# Altium PCB CHAHARDOLI-7 ADAD METAL.PcbDoc (part 7 of 11)
Units mm, origin at the board's own origin, x right, y up, seen from the top; angles counter-clockwise.
Board outline 151 x 86.38 mm, 2 copper layers (Top Layer, Bottom Layer); 1496 components, 81 nets, 3725 pads, 848 vias.
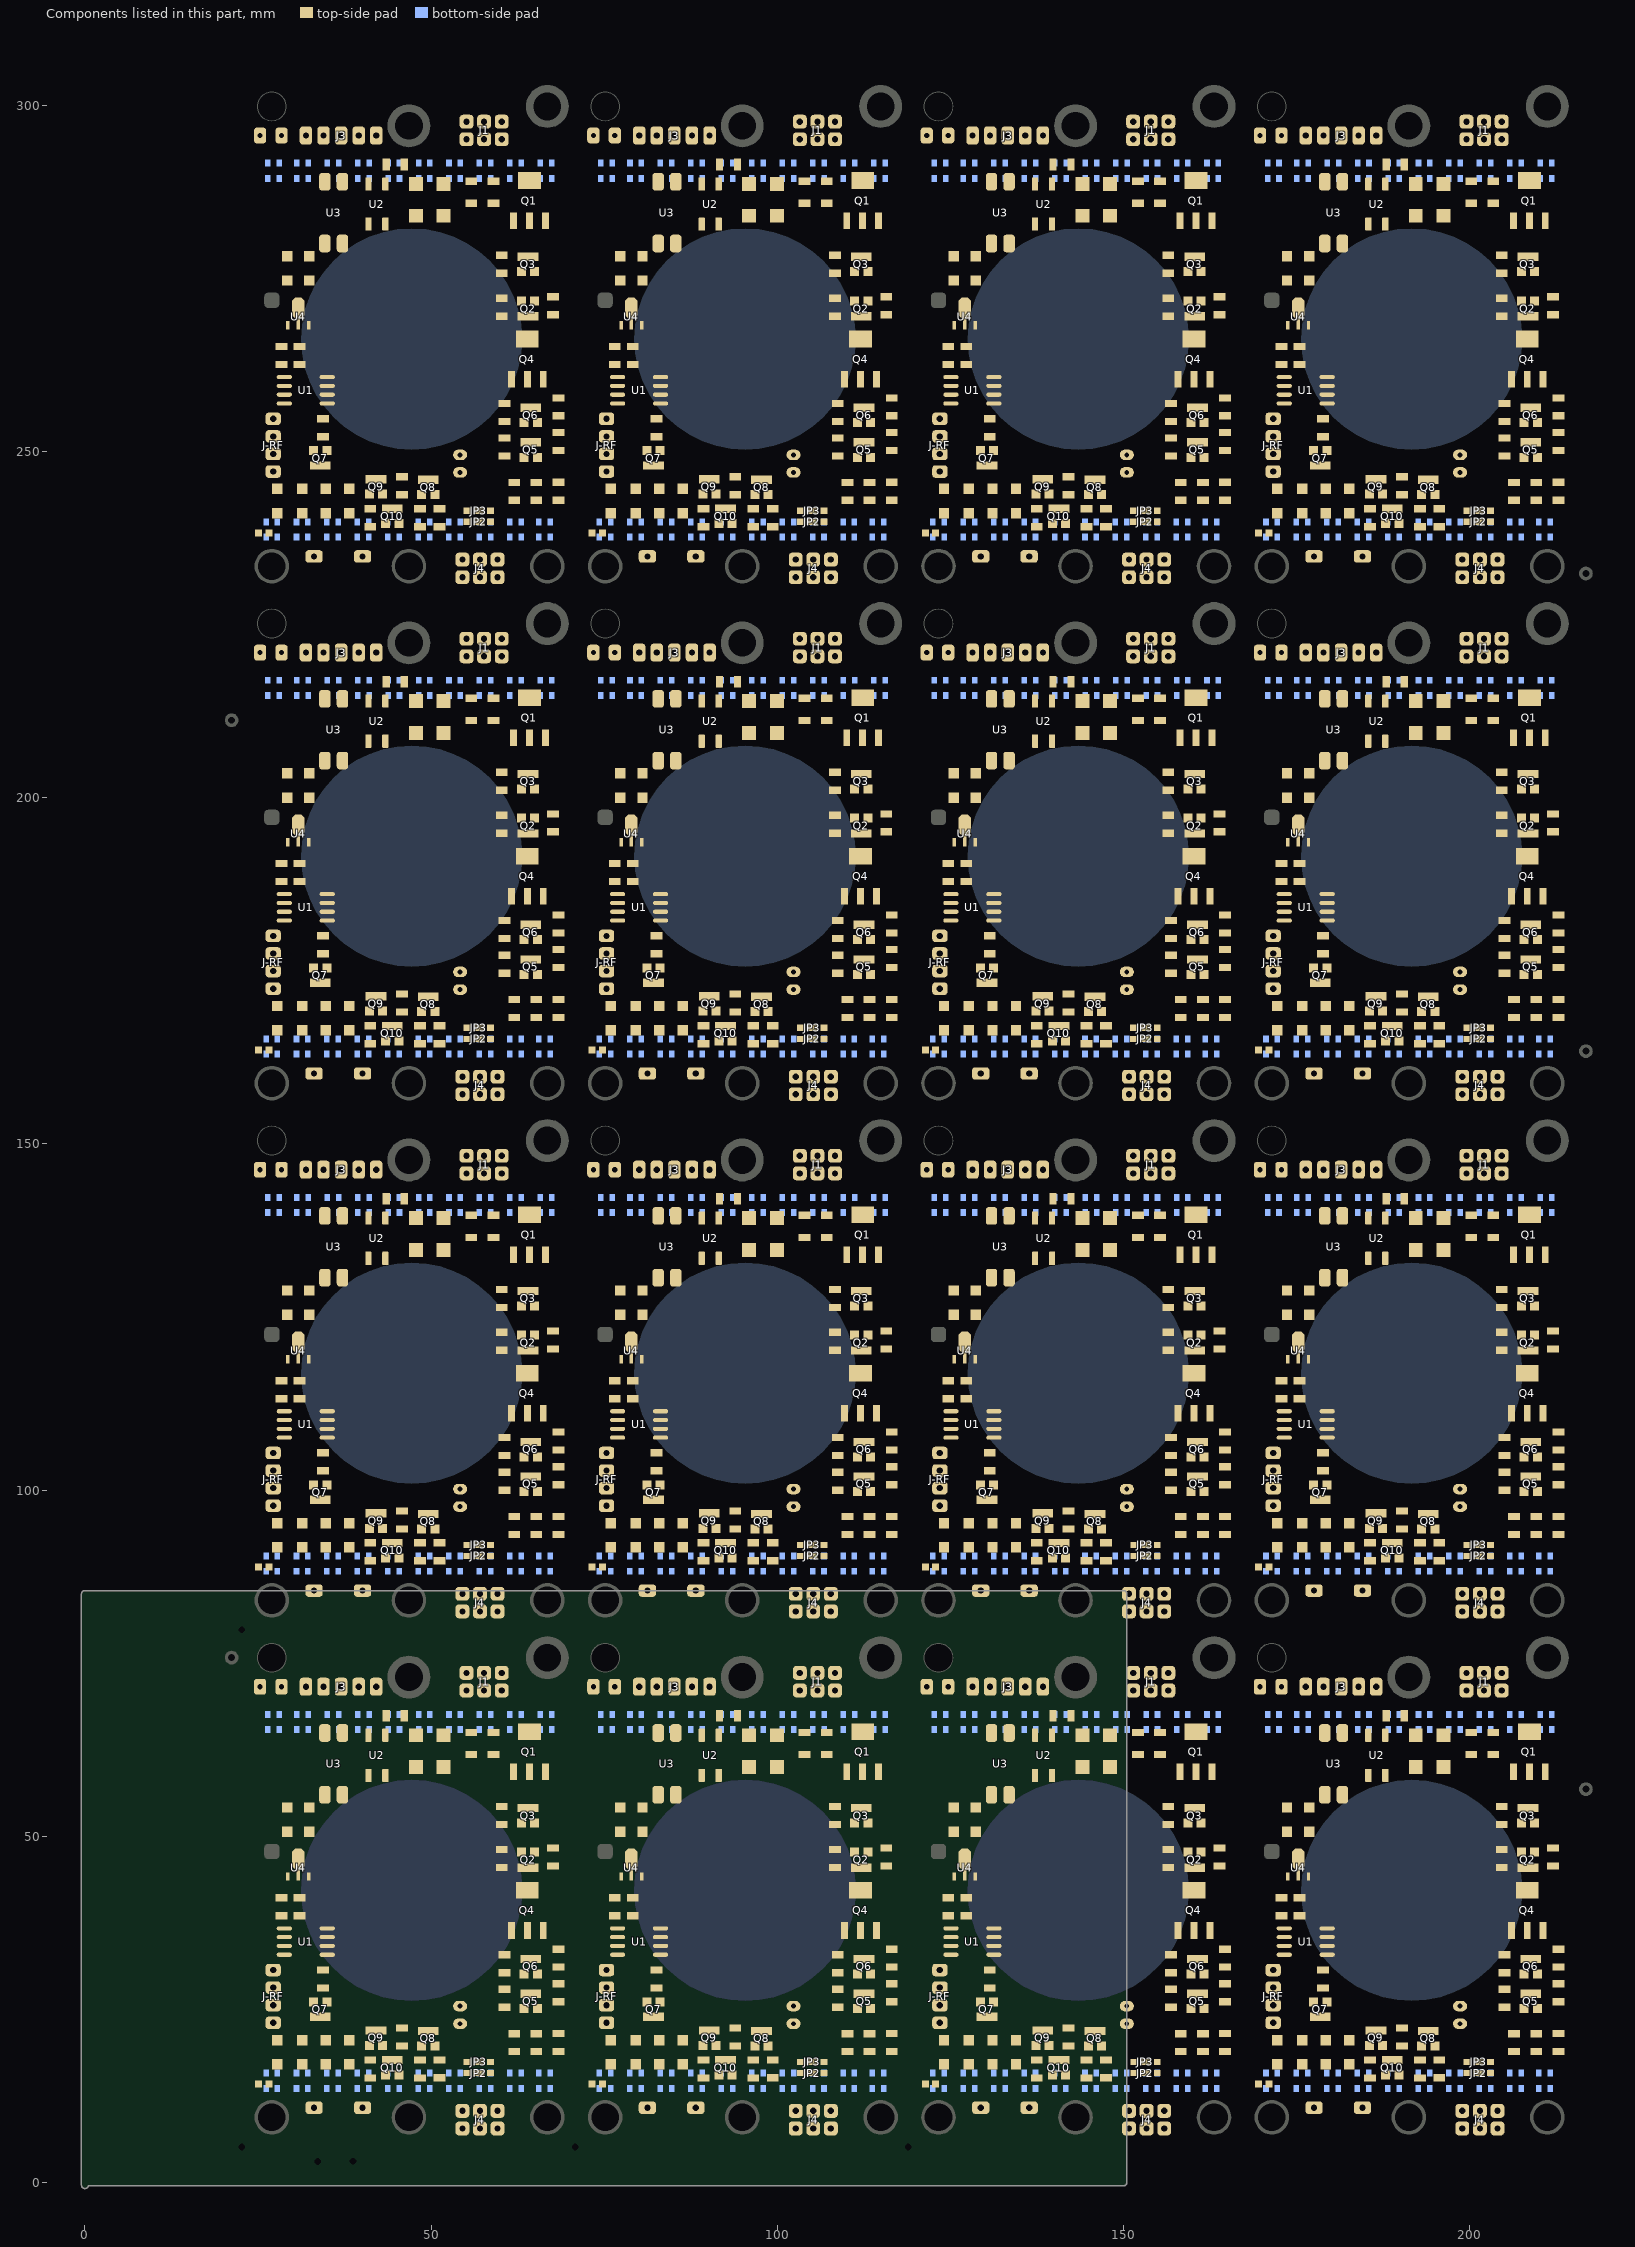
[diagram p7: the components of this part, seen from the top]

## Via types
v1: diameter 1.2, hole 0.6, Top Layer to Bottom Layer, tented both sides, 464 vias
v2: diameter 0.9, hole 0.6, Top Layer to Bottom Layer, tented both sides, 128 vias
v3: diameter 1, hole 0.6, Top Layer to Bottom Layer, tented both sides, 128 vias
v4: diameter 1.27, hole 0.6, Top Layer to Bottom Layer, tented both sides, 112 vias
v5: diameter 1.27, hole 0.711, Top Layer to Bottom Layer, tented both sides, 16 vias

## Nets (pads, with @x,y where several pads share a name; then routed paths per layer and width w, separated by ;. In a path a pad name is that pad's centre, name@x,y a point inside that pad or via, vN(x,y) a via of type N, cw(c..) or ccw(c..) an arc to the next point about the centre after c; other vN are vias at no path point) (continued)
copper on no net: (continued)
  Top Layer w0.5: 119.89,200.576 121.89,202.576 121.89,205.976 122.183,206.269 122.597,206.269 122.89,205.976 122.89,204.776 122.89,201.776 121.29,200.176 121.29,191.576 121.583,191.283 121.997,191.283 123.29,192.576 123.29,197.176 ; 119.89,275.264 121.89,277.264 121.89,280.664 122.183,280.957 122.597,280.957 122.89,280.664 122.89,279.464 122.89,276.464 121.29,274.864 121.29,266.264 121.583,265.971 121.997,265.971 123.29,267.264 123.29,271.864 ; 123.29,14 123.69,13.6 127.49,13.6 128.49,12.6 128.49,11.743 128.514,11.719 128.514,11.435 129.148,10.8 129.39,10.8 ; 123.29,88.688 123.69,88.288 127.49,88.288 128.49,87.288 128.49,86.431 128.514,86.408 128.514,86.123 129.148,85.488 129.39,85.488 ; 123.29,163.376 123.69,162.976 127.49,162.976 128.49,161.976 128.49,161.119 128.514,161.096 128.514,160.811 129.148,160.176 129.39,160.176 ; 123.29,238.064 123.69,237.664 127.49,237.664 128.49,236.664 128.49,235.807 128.514,235.784 128.514,235.499 129.148,234.864 129.39,234.864 ; 123.49,28.08 126.37,28.08 127.09,28.8 127.09,36.393 126.797,36.686 125.117,36.686 ; 123.49,102.768 126.37,102.768 127.09,103.488 127.09,111.081 126.797,111.374 125.117,111.374 ; 123.49,177.456 126.37,177.456 127.09,178.176 127.09,185.769 126.797,186.062 125.117,186.062 ; 123.49,252.144 126.37,252.144 127.09,252.864 127.09,260.457 126.797,260.75 125.117,260.75 ; 124.09,20.55 124.59,20.05 124.59,19.3 126.485,17.405 127.335,17.405 127.69,17.05 ; 124.09,95.238 124.59,94.738 124.59,93.988 126.485,92.093 127.335,92.093 127.69,91.738 ; 124.09,169.926 124.59,169.426 124.59,168.676 126.485,166.782 127.335,166.782 127.69,166.426 ; 124.09,244.614 124.59,244.114 124.59,243.364 126.485,241.47 127.335,241.47 127.69,241.114 ; 124.565,16.925 124.49,17 122.783,17 122.49,17.293 122.49,22.152 123.667,23.329 125.219,23.329 127.99,26.1 ; 124.565,91.613 124.49,91.688 122.783,91.688 122.49,91.981 122.49,96.84 123.667,98.017 125.219,98.017 127.99,100.788 ; 124.565,166.301 124.49,166.376 122.783,166.376 122.49,166.669 122.49,171.528 123.667,172.705 125.219,172.705 127.99,175.476 ; 124.565,240.989 124.49,241.064 122.783,241.064 122.49,241.357 122.49,246.216 123.667,247.393 125.219,247.393 127.99,250.164 ; 124.69,17.05 126.14,15.6 130.394,15.6 130.687,15.893 130.687,16.777 131.09,17.181 ; 124.69,91.738 126.14,90.288 130.394,90.288 130.687,90.581 130.687,91.465 131.09,91.869 ; 124.69,166.426 126.14,164.976 130.394,164.976 130.687,165.269 130.687,166.154 131.09,166.557 ; 124.69,241.114 126.14,239.664 130.394,239.664 130.687,239.957 130.687,240.842 131.09,241.245 ; 125.236,38.309 125.015,38.53 124.69,38.53 124.415,38.255 123.345,38.255 122.69,37.6 122.69,34.458 122.983,34.165 125.656,34.165 ; 125.236,112.997 125.015,113.218 124.69,113.218 124.415,112.943 123.345,112.943 122.69,112.288 122.69,109.146 122.983,108.853 125.656,108.853 ; 125.236,187.685 125.015,187.906 124.69,187.906 124.415,187.631 123.345,187.631 122.69,186.976 122.69,183.834 122.983,183.541 125.656,183.541 ; 125.236,262.373 125.015,262.594 124.69,262.594 124.415,262.319 123.345,262.319 122.69,261.664 122.69,258.522 122.983,258.229 125.656,258.229 ; 125.29,38.362 127.29,38.362 ; 125.29,113.051 127.29,113.051 ; 125.29,187.739 127.29,187.739 ; 125.29,262.427 127.29,262.427 ; 125.49,54.15 125.99,53.65 125.99,53.3 128.19,51.1 128.19,51.15 128.69,50.65 ; 125.49,128.838 125.99,128.338 125.99,127.988 128.19,125.788 128.19,125.838 128.69,125.338 ; 125.49,203.526 125.99,203.026 125.99,202.676 128.19,200.476 128.19,200.526 128.69,200.026 ; 125.49,278.214 125.99,277.714 125.99,277.364 128.19,275.164 128.19,275.214 128.69,274.714 ; 126.89,46.7 126.89,42.893 127.183,42.6 128.797,42.6 129.09,42.307 129.09,38.53 127.99,38.53 ; 126.89,121.388 126.89,117.581 127.183,117.288 128.797,117.288 129.09,116.995 129.09,113.218 127.99,113.218 ; 126.89,196.076 126.89,192.269 127.183,191.976 128.797,191.976 129.09,191.683 129.09,187.906 127.99,187.906 ; 126.89,270.764 126.89,266.957 127.183,266.664 128.797,266.664 129.09,266.371 129.09,262.594 127.99,262.594 ; 127.09,46.7 v1(127.09,48.8) ; 127.09,121.388 v1(127.09,123.488) ; 127.09,196.076 v1(127.09,198.176) ; 127.09,270.764 v1(127.09,272.864) ; 127.29,262.594 127.99,262.594 ; 127.29,38.53 127.99,38.53 ; 127.29,113.218 127.99,113.218 ; 127.29,187.906 127.99,187.906 ; 127.69,20.55 128.19,21.05 128.19,21.25 129.34,22.4 132.597,22.4 132.89,22.693 132.89,24.707 133.183,25 142.29,25 143.69,23.6 143.69,19.8 ; 127.69,95.238 128.19,95.738 128.19,95.938 129.34,97.088 132.597,97.088 132.89,97.381 132.89,99.395 133.183,99.688 142.29,99.688 143.69,98.288 143.69,94.488 ; 127.69,169.926 128.19,170.426 128.19,170.626 129.34,171.776 132.597,171.776 132.89,172.069 132.89,174.083 133.183,174.376 142.29,174.376 143.69,172.976 143.69,169.176 ; 127.69,244.614 128.19,245.114 128.19,245.314 129.34,246.464 132.597,246.464 132.89,246.757 132.89,248.771 133.183,249.064 142.29,249.064 143.69,247.664 143.69,243.864 ; 128.49,60.4 132.09,60.4 133.49,61.8 133.49,64.92 ; 128.49,135.088 132.09,135.088 133.49,136.488 133.49,139.608 ; 128.49,209.776 132.09,209.776 133.49,211.176 133.49,214.296 ; 128.49,284.464 132.09,284.464 133.49,285.864 133.49,288.984 ; 128.59,44.2 128.59,44.55 128.787,44.746 128.787,50.154 128.69,50.25 ; 128.59,118.888 128.59,119.238 128.787,119.435 128.787,124.842 128.69,124.938 ; 128.59,193.576 128.59,193.926 128.787,194.123 128.787,199.53 128.69,199.626 ; 128.59,268.264 128.59,268.614 128.787,268.811 128.787,274.218 128.69,274.314 ; 129.34,26.075 127.99,26.075 127.99,38.53 ; 129.34,100.763 127.99,100.763 127.99,113.218 ; 129.34,175.451 127.99,175.451 127.99,187.906 ; 129.34,250.139 127.99,250.139 127.99,262.594 ; 130.29,23.8 127.89,23.8 125.89,21.8 125.89,19.4 126.49,18.8 132.09,18.8 132.69,18.2 132.69,15.2 135.69,12.2 135.69,11.435 136.325,10.8 136.39,10.8 ; 130.29,98.488 127.89,98.488 125.89,96.488 125.89,94.088 126.49,93.488 132.09,93.488 132.69,92.888 132.69,89.888 135.69,86.888 135.69,86.123 136.325,85.488 136.39,85.488 ; 130.29,173.176 127.89,173.176 125.89,171.176 125.89,168.776 126.49,168.176 132.09,168.176 132.69,167.576 132.69,164.576 135.69,161.576 135.69,160.811 136.325,160.176 136.39,160.176 ; 130.29,247.864 127.89,247.864 125.89,245.864 125.89,243.464 126.49,242.864 132.09,242.864 132.69,242.264 132.69,239.264 135.69,236.264 135.69,235.499 136.325,234.864 136.39,234.864 ; 130.69,28.099 130.965,28.099 131.24,27.824 131.24,26.075 ; 130.69,30.695 130.69,32.849 130.736,32.895 131.29,32.895 ; 130.69,102.788 130.965,102.788 131.24,102.513 131.24,100.763 ; 130.69,105.384 130.69,107.537 130.736,107.583 131.29,107.583 ; 130.69,177.476 130.965,177.476 131.24,177.201 131.24,175.451 ; 130.69,180.072 130.69,182.225 130.736,182.271 131.29,182.271 ; 130.69,252.164 130.965,252.164 131.24,251.889 131.24,250.139 ; 130.69,254.76 130.69,256.913 130.736,256.959 131.29,256.959 ; 130.75,71.6 130.89,71.46 130.89,69.293 131.183,69 135.09,69 137.226,66.864 137.226,64.331 ; 130.75,146.288 130.89,146.148 130.89,143.981 131.183,143.688 135.09,143.688 137.226,141.553 137.226,139.02 ; 130.75,220.976 130.89,220.836 130.89,218.669 131.183,218.376 135.09,218.376 137.226,216.241 137.226,213.708 ; 130.75,295.664 130.89,295.524 130.89,293.357 131.183,293.064 135.09,293.064 137.226,290.929 137.226,288.396 ; 130.79,20.05 132.571,20.05 133.99,18.631 133.99,17.55 134.49,17.05 ; 130.79,94.738 132.571,94.738 133.99,93.319 133.99,92.238 134.49,91.738 ; 130.79,169.426 132.571,169.426 133.99,168.007 133.99,166.926 134.49,166.426 ; 130.79,244.114 132.571,244.114 133.99,242.695 133.99,241.614 134.49,241.114 ; v1(130.89,62.2) 130.89,64.86 130.95,64.92 ; v1(130.89,136.888) 130.89,139.548 130.95,139.608 ; v1(130.89,211.576) 130.89,214.236 130.95,214.296 ; v1(130.89,286.264) 130.89,288.924 130.95,288.984 ; 131.29,34.165 129.183,34.165 128.89,33.872 128.89,29.893 129.263,29.52 132.37,29.52 132.89,29 132.89,26.6 133.29,26.2 146.871,26.2 148.671,28 153.69,28 154.112,27.578 154.112,27.367 154.356,27.123 154.356,26.534 v1(154.49,26.4) ; 131.29,108.853 129.183,108.853 128.89,108.56 128.89,104.581 129.263,104.209 132.37,104.209 132.89,103.688 132.89,101.288 133.29,100.888 146.871,100.888 148.671,102.688 153.69,102.688 154.112,102.266 154.112,102.055 154.356,101.811 154.356,101.222 v1(154.49,101.088) ; 131.29,183.541 129.183,183.541 128.89,183.248 128.89,179.269 129.263,178.897 132.37,178.897 132.89,178.376 132.89,175.976 133.29,175.576 146.871,175.576 148.671,177.376 153.69,177.376 154.112,176.954 154.112,176.743 154.356,176.5 154.356,175.91 v1(154.49,175.776) ; 131.29,258.229 129.183,258.229 128.89,257.936 128.89,253.957 129.263,253.585 132.37,253.585 132.89,253.064 132.89,250.664 133.29,250.264 146.871,250.264 148.671,252.064 153.69,252.064 154.112,251.642 154.112,251.432 154.356,251.188 154.356,250.598 v1(154.49,250.464) ; v1(133.49,10.8) 133.49,10.2 134.69,9 137.396,9 138.49,10.094 138.49,13 139.69,14.2 143.597,14.2 144.09,14.693 144.09,14.824 144.365,15.099 144.69,15.099 ; v1(133.49,85.488) 133.49,84.888 134.69,83.688 137.396,83.688 138.49,84.782 138.49,87.688 139.69,88.888 143.597,88.888 144.09,89.381 144.09,89.513 144.365,89.788 144.69,89.788 ; v1(133.49,160.176) 133.49,159.576 134.69,158.376 137.396,158.376 138.49,159.471 138.49,162.376 139.69,163.576 143.597,163.576 144.09,164.069 144.09,164.201 144.365,164.476 144.69,164.476 ; v1(133.49,234.864) 133.49,234.264 134.69,233.064 137.396,233.064 138.49,234.159 138.49,237.064 139.69,238.264 143.597,238.264 144.09,238.757 144.09,238.889 144.365,239.164 144.69,239.164 ; 134.49,20.55 134.878,20.937 v1(134.878,23.387) ; 134.49,95.238 134.878,95.626 v1(134.878,98.076) ; 134.49,169.926 134.878,170.314 v1(134.878,172.764) ; 134.49,244.614 134.878,245.002 v1(134.878,247.452) ; 134.865,20.45 135.19,20.125 136.99,20.125 137.34,19.775 137.34,17.845 137.49,17.695 ; 134.865,95.138 135.19,94.813 136.99,94.813 137.34,94.463 137.34,92.534 137.49,92.384 ; 134.865,169.826 135.19,169.501 136.99,169.501 137.34,169.151 137.34,167.222 137.49,167.072 ; 134.865,244.514 135.19,244.189 136.99,244.189 137.34,243.839 137.34,241.91 137.49,241.76 ; 135.859,71.171 136.159,70.871 136.159,69.931 138.49,67.6 139.843,67.6 ; 135.859,145.86 136.159,145.56 136.159,144.62 138.49,142.288 139.843,142.288 ; 135.859,220.548 136.159,220.248 136.159,219.308 138.49,216.976 139.843,216.976 ; 135.859,295.236 136.159,294.936 136.159,293.996 138.49,291.664 139.843,291.664 ; 137.183,15.307 139.522,15.307 139.74,15.525 ; 137.183,89.995 139.522,89.995 139.74,90.213 ; 137.183,164.683 139.522,164.683 139.74,164.901 ; 137.183,239.371 139.522,239.371 139.74,239.589 ; v1(137.69,98.088) 137.588,97.986 137.588,96.988 137.938,96.638 138.34,96.638 ; v1(137.69,172.776) 137.588,172.674 137.588,171.676 137.938,171.326 138.34,171.326 ; v1(137.69,247.464) 137.588,247.362 137.588,246.364 137.938,246.014 138.34,246.014 ; v1(137.69,23.4) 137.588,23.298 137.588,22.3 137.938,21.95 138.34,21.95 ; 137.97,71.308 138.605,70.673 139.017,70.673 141.241,68.449 141.241,66.049 141.29,66 141.29,64.2 142.69,62.8 146.29,62.8 148.09,64.6 ; 137.97,145.996 138.605,145.362 139.017,145.362 141.241,143.137 141.241,140.737 141.29,140.688 141.29,138.888 142.69,137.488 146.29,137.488 148.09,139.288 ; 137.97,220.684 138.605,220.05 139.017,220.05 141.241,217.825 141.241,215.425 141.29,215.376 141.29,213.576 142.69,212.176 146.29,212.176 148.09,213.976 ; 137.97,295.373 138.605,294.738 139.017,294.738 141.241,292.513 141.241,290.113 141.29,290.064 141.29,288.264 142.69,286.864 146.29,286.864 148.09,288.664 ; 139.49,19.6 142.229,19.6 ; 139.49,94.288 142.229,94.288 ; 139.49,168.976 142.229,168.976 ; 139.49,243.664 142.229,243.664 ; 139.69,64.6 139.895,64.395 139.895,63.795 141.89,61.8 149.997,61.8 150.29,61.507 150.29,60 152.09,58.2 154.09,58.2 155.09,59.2 155.09,61.8 ; 139.69,139.288 139.895,139.083 139.895,138.483 141.89,136.488 149.997,136.488 150.29,136.195 150.29,134.688 152.09,132.888 154.09,132.888 155.09,133.888 155.09,136.488 ; 139.69,213.976 139.895,213.771 139.895,213.171 141.89,211.176 149.997,211.176 150.29,210.883 150.29,209.376 152.09,207.576 154.09,207.576 155.09,208.576 155.09,211.176 ; 139.69,288.664 139.895,288.459 139.895,287.859 141.89,285.864 149.997,285.864 150.29,285.571 150.29,284.064 152.09,282.264 154.09,282.264 155.09,283.264 155.09,285.864 ; 140.339,17.6 140.09,17.6 140.115,17.625 140.563,17.625 140.633,17.695 144.69,17.695 ; 140.339,92.288 140.09,92.288 140.115,92.313 140.563,92.313 140.633,92.384 144.69,92.384 ; 140.339,166.976 140.09,166.976 140.115,167.001 140.563,167.001 140.633,167.072 144.69,167.072 ; 140.339,241.664 140.09,241.664 140.115,241.689 140.563,241.689 140.633,241.76 144.69,241.76 ; v1(140.49,23.4) 140.5,23.4 141.33,22.57 141.49,22.57 141.595,22.465 141.595,22.305 ; v1(140.49,98.088) 140.5,98.088 141.33,97.259 141.49,97.259 141.595,97.154 141.595,96.993 ; v1(140.49,172.776) 140.5,172.776 141.33,171.947 141.49,171.947 141.595,171.842 141.595,171.681 ; v1(140.49,247.464) 140.5,247.464 141.33,246.635 141.49,246.635 141.595,246.53 141.595,246.369 ; 141.49,15.8 141.64,15.65 141.64,15.525 ; 141.49,90.488 141.64,90.338 141.64,90.213 ; 141.49,165.176 141.64,165.026 141.64,164.901 ; 141.49,239.864 141.64,239.714 141.64,239.589 ; 141.79,15.375 142.465,15.375 143.49,16.4 145.69,16.4 146.711,15.38 147.215,15.38 147.49,15.105 148.395,15.105 149.09,15.8 149.09,21.6 148.49,22.2 148.49,24.4 149.364,25.274 149.894,25.274 150.09,25.47 ; 141.79,90.063 142.465,90.063 143.49,91.088 145.69,91.088 146.711,90.068 147.215,90.068 147.49,89.793 148.395,89.793 149.09,90.488 149.09,96.288 148.49,96.888 148.49,99.088 149.364,99.962 149.894,99.962 150.09,100.158 ; 141.79,164.751 142.465,164.751 143.49,165.776 145.69,165.776 146.711,164.756 147.215,164.756 147.49,164.481 148.395,164.481 149.09,165.176 149.09,170.976 148.49,171.576 148.49,173.776 149.364,174.65 149.894,174.65 150.09,174.846 ; 141.79,239.439 142.465,239.439 143.49,240.464 145.69,240.464 146.711,239.444 147.215,239.444 147.49,239.169 148.395,239.169 149.09,239.864 149.09,245.664 148.49,246.264 148.49,248.464 149.364,249.338 149.894,249.338 150.09,249.534 ; 142.416,67.174 142.691,67.449 142.691,68.151 142.833,68.293 142.833,70.343 142.89,70.4 142.89,73 ; 142.416,141.862 142.691,142.137 142.691,142.839 142.833,142.981 142.833,145.031 142.89,145.088 142.89,147.688 ; 142.416,216.55 142.691,216.825 142.691,217.528 142.833,217.669 142.833,219.719 142.89,219.776 142.89,222.376 ; 142.416,291.239 142.691,291.514 142.691,292.216 142.833,292.357 142.833,294.407 142.89,294.464 142.89,297.064 ; 143.69,18 143.69,19.8 ; 143.69,92.688 143.69,94.488 ; 143.69,167.376 143.69,169.176 ; 143.69,242.064 143.69,243.864 ; 144.94,19.725 144.865,19.8 143.69,19.8 ; 144.94,94.413 144.865,94.488 143.69,94.488 ; 144.94,169.101 144.865,169.176 143.69,169.176 ; 144.94,243.789 144.865,243.864 143.69,243.864 ; 145.69,21.8 146.022,22.132 146.022,23.932 149.09,27 151.89,27 152.49,26.4 152.49,24.8 153.29,24 155.29,24 156.34,22.95 156.34,19.25 155.14,18.05 155.14,17.45 155.09,17.4 155.09,16.2 ; 145.69,96.488 146.022,96.82 146.022,98.62 149.09,101.688 151.89,101.688 152.49,101.088 152.49,99.488 153.29,98.688 155.29,98.688 156.34,97.638 156.34,93.938 155.14,92.738 155.14,92.138 155.09,92.088 155.09,90.888 ; 145.69,171.176 146.022,171.508 146.022,173.308 149.09,176.376 151.89,176.376 152.49,175.776 152.49,174.176 153.29,173.376 155.29,173.376 156.34,172.326 156.34,168.626 155.14,167.426 155.14,166.826 155.09,166.776 155.09,165.576 ; 145.69,245.864 146.022,246.196 146.022,247.996 149.09,251.064 151.89,251.064 152.49,250.464 152.49,248.864 153.29,248.064 155.29,248.064 156.34,247.014 156.34,243.314 155.14,242.114 155.14,241.514 155.09,241.464 155.09,240.264 ; 146.84,19.725 147.09,19.475 147.09,17.976 147.365,17.701 147.49,17.701 ; 146.84,94.413 147.09,94.163 147.09,92.664 147.365,92.389 147.49,92.389 ; 146.84,169.101 147.09,168.851 147.09,167.352 147.365,167.077 147.49,167.077 ; 146.84,243.789 147.09,243.539 147.09,242.04 147.365,241.765 147.49,241.765 ; 148.09,60 148.34,59.75 148.34,59.25 148.84,59.25 150.89,57.2 v1(156.49,57.2) ; 148.09,134.688 148.34,134.438 148.34,133.938 148.84,133.938 150.89,131.888 v1(156.49,131.888) ; 148.09,209.376 148.34,209.126 148.34,208.626 148.84,208.626 150.89,206.576 v1(156.49,206.576) ; 148.09,284.064 148.34,283.814 148.34,283.314 148.84,283.314 150.89,281.264 v1(156.49,281.264) ; v1@150.4,75.904 150.758,76.262 150.758,76.267 151.69,77.2 160.89,77.2 ; v1@150.4,150.592 150.758,150.95 150.758,150.956 151.69,151.888 160.89,151.888 ; v1@150.4,225.28 150.758,225.638 150.758,225.644 151.69,226.576 160.89,226.576 ; v1@150.4,299.969 150.758,300.326 150.758,300.332 151.69,301.264 160.89,301.264 ; 150.81,10.34 151.404,10.934 151.404,11.514 154.09,14.2 155.69,14.2 157.49,16 159.29,16 159.79,16.5 159.79,20.5 159.06,21.23 158.156,21.23 157.89,21.495 ; 150.81,85.028 151.404,85.622 151.404,86.202 154.09,88.888 155.69,88.888 157.49,90.688 159.29,90.688 159.79,91.188 159.79,95.188 159.06,95.918 158.156,95.918 157.89,96.184 ; 150.81,159.716 151.404,160.31 151.404,160.89 154.09,163.576 155.69,163.576 157.49,165.376 159.29,165.376 159.79,165.876 159.79,169.876 159.06,170.606 158.156,170.606 157.89,170.872 ; 150.81,234.404 151.404,234.998 151.404,235.578 154.09,238.264 155.69,238.264 157.49,240.064 159.29,240.064 159.79,240.564 159.79,244.564 159.06,245.294 158.156,245.294 157.89,245.56 ; 151.69,15.705 151.69,20.8 v1(152.89,22) ; 151.69,90.393 151.69,95.488 v1(152.89,96.688) ; 151.69,165.081 151.69,170.176 v1(152.89,171.376) ; 151.69,239.769 151.69,244.864 v1(152.89,246.064) ; 153.35,10.34 153.774,10.764 153.774,11.684 154.69,12.6 155.61,12.6 158.01,15 161.89,15 163.09,16.2 163.09,20.2 162.09,21.2 162.09,21.22 161.911,21.4 161.361,21.4 ; 153.35,85.028 153.774,85.452 153.774,86.372 154.69,87.288 155.61,87.288 158.01,89.688 161.89,89.688 163.09,90.888 163.09,94.888 162.09,95.888 162.09,95.909 161.911,96.088 161.361,96.088 ; 153.35,159.716 153.774,160.14 153.774,161.06 154.69,161.976 155.61,161.976 158.01,164.376 161.89,164.376 163.09,165.576 163.09,169.576 162.09,170.576 162.09,170.597 161.911,170.776 161.361,170.776 ; 153.35,234.404 153.774,234.828 153.774,235.748 154.69,236.664 155.61,236.664 158.01,239.064 161.89,239.064 163.09,240.264 163.09,244.264 162.09,245.264 162.09,245.285 161.911,245.464 161.361,245.464 ; 153.39,15.8 153.11,15.8 152.91,15.6 152.91,15.02 150.69,12.8 149.69,12.8 148.89,12 148.89,8.093 149.183,7.8 150.81,7.8 153.35,7.8 155.89,7.8 ; 153.39,17.4 153.39,17.5 153.49,17.6 153.49,19.4 154.69,20.6 v1(154.89,20.6) ; 153.39,90.488 153.11,90.488 152.91,90.288 152.91,89.708 150.69,87.488 149.69,87.488 148.89,86.688 148.89,82.781 149.183,82.488 150.81,82.488 153.35,82.488 155.89,82.488 ; 153.39,92.088 153.39,92.188 153.49,92.288 153.49,94.088 154.69,95.288 v1(154.89,95.288) ; 153.39,165.176 153.11,165.176 152.91,164.976 152.91,164.396 150.69,162.176 149.69,162.176 148.89,161.376 148.89,157.469 149.183,157.176 150.81,157.176 153.35,157.176 155.89,157.176 ; 153.39,166.776 153.39,166.876 153.49,166.976 153.49,168.776 154.69,169.976 v1(154.89,169.976) ; 153.39,239.864 153.11,239.864 152.91,239.664 152.91,239.084 150.69,236.864 149.69,236.864 148.89,236.064 148.89,232.157 149.183,231.864 150.81,231.864 153.35,231.864 155.89,231.864 ; 153.39,241.464 153.39,241.564 153.49,241.664 153.49,243.464 154.69,244.664 v1(154.89,244.664) ; 155.89,10.34 156.244,10.694 156.244,11.754 158.49,14 162.89,14 164.49,15.6 164.49,18.705 164.69,18.905 ; 155.89,85.028 156.244,85.382 156.244,86.442 158.49,88.688 162.89,88.688 164.49,90.288 164.49,93.393 164.69,93.593 ; 155.89,159.716 156.244,160.07 156.244,161.13 158.49,163.376 162.89,163.376 164.49,164.976 164.49,168.081 164.69,168.281 ; 155.89,234.404 156.244,234.758 156.244,235.818 158.49,238.064 162.89,238.064 164.49,239.664 164.49,242.769 164.69,242.969 ; 156.445,25.2 159.265,25.2 159.34,25.125 159.74,25.125 ; 156.445,99.888 159.265,99.888 159.34,99.813 159.74,99.813 ; 156.445,174.576 159.265,174.576 159.34,174.501 159.74,174.501 ; 156.445,249.264 159.265,249.264 159.34,249.189 159.74,249.189 ; 156.49,48.101 156.815,48.101 